# KiCad board led_mapper_850.kicad_pcb (continued)
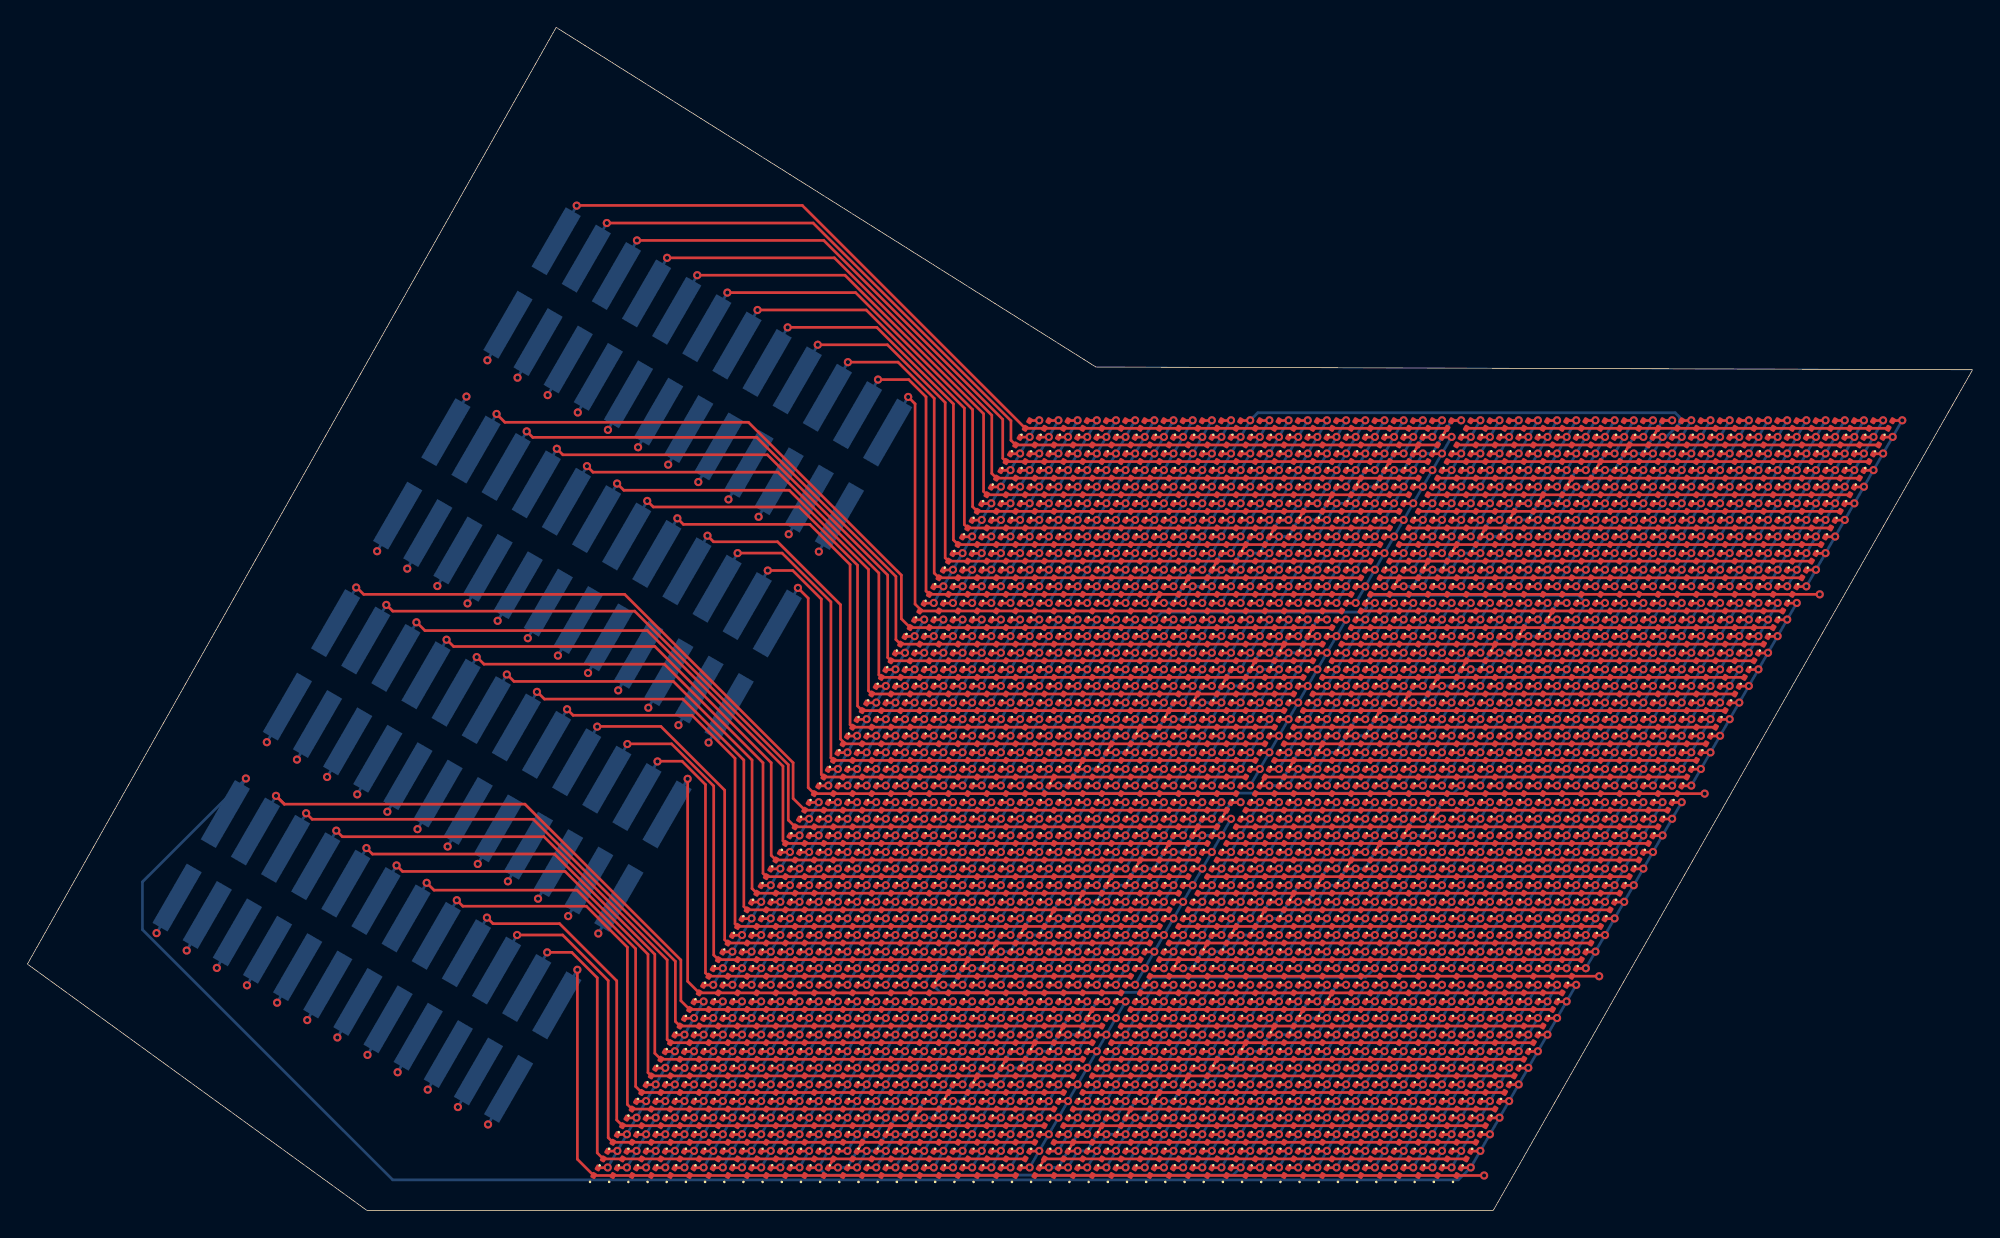
[diagram p0: board, top side]
## Routing (per net, layer and track width the routed paths; a pad name or vN(x,y) marks a point on that pad's centre or on a via; arc(x,y) is an arc through that point) (continued)
/network4/P05: length 145.9
  Top w0.2: D1868.2 v1(103.96,10.42) ; D1960.2 v1(105.36,12.85) ; D1615.2 v1(67.56,3.15) ; D2052.2 v1(106.76,15.27) ; D1937.1 D1891.2 v1(71.76,10.42) ; D1684.2 v1(101.16,5.57) ; D1776.2 v1(102.56,8) ; v1(24.75,26.48) 25.19,26.04 38.48,26.04 45.8,18.72 45.8,11.49 D1955.1 D1933.1 ; D1845.2 v1(71.06,9.21) ; D2028.2 v1(75.26,14.06) ; D1822.2 v1(103.26,9.21) ; D2098.2 v1(107.46,16.49) ; D1982.2 v1(74.56,12.85) ; D1638.2 v1(100.46,4.36) ; D1661.2 v1(68.26,4.36) ; D1914.2 v1(104.66,11.64) ; D1753.2 v1(69.66,6.79) ; D1730.2 v1(101.86,6.79) ; D1707.2 v1(68.96,5.57) ; D2074.2 v1(75.96,15.27) ; D2006.2 v1(106.06,14.06) ; D1799.2 v1(70.36,8) ; D1592.2 v1(99.76,3.15)
  In2.Cu w0.2: v1(70.36,8) 70.71,7.39 102.21,7.39 v1(102.56,8)
  Bottom w0.2: v1(67.56,3.15) v1(71.76,10.42) 72.46,10.42 73.86,12.85 v1(74.56,12.85) v1(75.96,15.27) ; v1(99.76,3.15) v1(107.46,16.49) ; 23.25,23.88 v1(24.75,26.48)
/network4/P06: length 143.8
  Top w0.2: D1616.2 v1(66.16,3.15) ; D1887.1 D1909.1 45.3,10.08 45.3,18.72 39.25,24.77 27.39,24.77 v1(26.95,25.21) ; D1823.2 v1(101.86,9.21) ; D1639.2 v1(99.06,4.36) ; D2075.2 v1(74.56,15.27) ; D2007.2 v1(104.66,14.06) ; D1892.1 D1846.2 v1(69.66,9.21) ; D1754.2 v1(68.26,6.79) ; D1731.2 v1(100.46,6.79) ; D1593.2 v1(98.36,3.15) ; D1915.2 v1(103.26,11.64) ; D2053.2 v1(105.36,15.27) ; D1777.2 v1(101.16,8) ; D1800.2 v1(68.96,8) ; D2099.2 v1(106.06,16.49) ; D1685.2 v1(99.76,5.57) ; D1708.2 v1(67.56,5.57) ; D2029.2 v1(73.86,14.06) ; D1961.2 v1(103.96,12.85) ; D1869.2 v1(102.56,10.42) ; D1937.2 v1(72.46,11.64) ; D1662.2 v1(66.86,4.36) ; D1983.2 v1(73.16,12.85)
  In2.Cu w0.2: v1(69.66,9.21) 70.01,8.61 101.51,8.61 v1(101.86,9.21)
  Bottom w0.2: v1(74.56,15.27) v1(72.46,11.64) 71.76,11.64 70.36,9.21 v1(69.66,9.21) v1(66.16,3.15) ; J4.6 v1(26.95,25.21) ; v1(98.36,3.15) v1(106.06,16.49)
/network4/P07: length 140.3
  Top w0.2: D1732.2 v1(99.06,6.79) ; D1709.2 v1(66.16,5.57) ; D1938.2 v1(71.06,11.64) ; D1892.2 v1(70.36,10.42) ; D1847.1 D1801.2 v1(67.56,8) ; D1663.2 v1(65.46,4.36) ; D1686.2 v1(98.36,5.57) ; D1640.2 v1(97.66,4.36) ; D2030.2 v1(72.46,14.06) ; D1916.2 v1(101.86,11.64) ; D1962.2 v1(102.56,12.85) ; D1984.2 v1(71.76,12.85) ; D1841.1 D1863.1 44.4,9.07 44.4,19.13 40.13,23.4 29.68,23.4 v1(29.15,23.94) ; D1870.2 v1(101.16,10.42) ; D1824.2 v1(100.46,9.21) ; D1594.2 v1(96.96,3.15) ; D2008.2 v1(103.26,14.06) ; D2076.2 v1(73.16,15.27) ; D1617.2 v1(64.76,3.15) ; D1778.2 v1(99.76,8) ; D2054.2 v1(103.96,15.27) ; D2100.2 v1(104.66,16.49) ; D1755.2 v1(66.86,6.79)
  In2.Cu w0.2: v1(70.36,10.42) 70.71,9.82 100.81,9.82 v1(101.16,10.42)
  Bottom w0.2: v1(64.76,3.15) v1(67.56,8) 68.26,8 69.66,10.42 v1(70.36,10.42) v1(73.16,15.27) ; v1(96.96,3.15) v1(104.66,16.49) ; 27.65,21.34 v1(29.15,23.94)
/network4/P08: length 138.2
  Top w0.2: v1(31.35,22.67) 31.79,22.23 40.81,22.23 43.8,19.23 43.8,7.75 D1817.1 D1795.1 ; D2055.2 v1(102.56,15.27) ; D2009.2 v1(101.86,14.06) ; D1779.2 v1(98.36,8) ; D2101.2 v1(103.26,16.49) ; D1664.2 v1(64.06,4.36) ; D1710.2 v1(64.76,5.57) ; D1687.2 v1(96.96,5.57) ; D1939.2 v1(69.66,11.64) ; D1825.2 v1(99.06,9.21) ; D1847.2 v1(68.26,9.21) ; D2031.2 v1(71.06,14.06) ; D1893.2 v1(68.96,10.42) ; D1802.1 D1756.2 v1(65.46,6.79) ; D1595.2 v1(95.56,3.15) ; D1917.2 v1(100.46,11.64) ; D2077.2 v1(71.76,15.27) ; D1985.2 v1(70.36,12.85) ; D1641.2 v1(96.26,4.36) ; D1871.2 v1(99.76,10.42) ; D1733.2 v1(97.66,6.79) ; D1618.2 v1(63.36,3.15) ; D1963.2 v1(101.16,12.85)
  In2.Cu w0.2: v1(100.46,11.64) 100.11,11.03 70.01,11.03 v1(69.66,11.64)
  Bottom w0.2: v1(95.56,3.15) v1(103.26,16.49) ; v1(63.36,3.15) v1(65.46,6.79) 66.16,6.79 67.56,9.21 v1(68.26,9.21) v1(71.76,15.27) ; J4.8 v1(31.35,22.67)
/network4/P09: length 134.5
  Top w0.2: D1918.2 v1(99.06,11.64) ; v1(33.55,21.4) 33.99,20.96 38.84,20.96 43.02,16.78 43.02,6.62 D1771.1 D1749.1 ; D1642.2 v1(94.86,4.36) ; D1872.2 v1(98.36,10.42) ; D1596.2 v1(94.16,3.15) ; D1986.2 v1(68.96,12.85) ; D1802.2 v1(66.16,8) ; D1848.2 v1(66.86,9.21) ; D1734.2 v1(96.26,6.79) ; v1(63.36,5.57) D1711.2 D1757.1 ; D1780.2 v1(96.96,8) ; D2102.2 v1(101.86,16.49) ; D1619.2 v1(61.96,3.15) ; D2010.2 v1(100.46,14.06) ; D1688.2 v1(95.56,5.57) ; D2032.2 v1(69.66,14.06) ; D1940.2 v1(68.26,11.64) ; D1665.2 v1(62.66,4.36) ; D1964.2 v1(99.76,12.85) ; D2078.2 v1(70.36,15.27) ; D1826.2 v1(97.66,9.21) ; D2056.2 v1(101.16,15.27) ; D1894.2 v1(67.56,10.42)
  In2.Cu w0.2: v1(68.96,12.85) 69.31,12.24 99.41,12.24 v1(99.76,12.85)
  Bottom w0.2: v1(61.96,3.15) v1(63.36,5.57) 64.06,5.57 65.46,8 v1(66.16,8) v1(70.36,15.27) ; v1(94.16,3.15) v1(101.86,16.49) ; J4.9 v1(33.55,21.4)
/network4/P10: length 132.4
  Top w0.2: D1965.2 v1(98.36,12.85) ; D1919.2 v1(97.66,11.64) ; D1643.2 v1(93.46,4.36) ; D2033.2 v1(68.26,14.06) ; D1827.2 v1(96.26,9.21) ; D1987.2 v1(67.56,12.85) ; D2057.2 v1(99.76,15.27) ; D2079.2 v1(68.96,15.27) ; D1803.2 v1(64.76,8) ; D1781.2 v1(95.56,8) ; D1712.1 D1666.2 v1(61.26,4.36) ; D1895.2 v1(66.16,10.42) ; D1873.2 v1(96.96,10.42) ; D2103.2 v1(100.46,16.49) ; D2011.2 v1(99.06,14.06) ; D1689.2 v1(94.16,5.57) ; D1757.2 v1(64.06,6.79) ; D1849.2 v1(65.46,9.21) ; D1597.2 v1(92.76,3.15) ; v1(35.75,20.13) 39.07,20.13 42.4,16.8 42.4,5.33 D1725.1 D1703.1 ; D1735.2 v1(94.86,6.79) ; D1620.2 v1(60.56,3.15) ; D1941.2 v1(66.86,11.64)
  In2.Cu w0.2: v1(68.26,14.06) 68.61,13.46 98.71,13.46 v1(99.06,14.06)
  Bottom w0.2: v1(60.56,3.15) v1(61.26,4.36) 61.96,4.36 63.36,6.79 v1(64.06,6.79) v1(68.96,15.27) ; v1(92.76,3.15) v1(100.46,16.49) ; J4.10 v1(35.75,20.13)
/network4/P11: length 162.9
  Top w0.2: D1758.2 v1(62.66,6.79) ; D2058.2 v1(98.36,15.27) ; v1(59.16,3.15) D1621.2 D1667.1 ; D1690.2 v1(92.76,5.57) ; D2012.2 v1(97.66,14.06) ; D1942.2 v1(65.46,11.64) ; D1850.2 v1(64.06,9.21) ; D2104.2 v1(99.06,16.49) ; D1782.2 v1(94.16,8) ; v1(37.95,18.86) 39.74,18.86 41.6,17 41.6,4.22 D1679.1 D1657.1 ; D1598.2 v1(91.36,3.15) ; D2080.2 v1(67.56,15.27) ; D2034.2 v1(66.86,14.06) ; D1896.2 v1(64.76,10.42) ; D1874.2 v1(95.56,10.42) ; D1804.2 v1(63.36,8) ; D1644.2 v1(92.06,4.36) ; D1988.2 v1(66.16,12.85) ; D1736.2 v1(93.46,6.79) ; D1828.2 v1(94.86,9.21) ; D1920.2 v1(96.26,11.64) ; D1966.2 v1(96.96,12.85) ; D1712.2 v1(61.96,5.57)
  In1.Cu w0.2: v1(59.16,3.15) 59.71,2.6 90.81,2.6 v1(91.36,3.15)
  In2.Cu w0.2: v1(67.56,15.27) 67.91,14.67 98.01,14.67 v1(98.36,15.27)
  Bottom w0.2: v1(67.56,15.27) v1(61.96,5.57) 61.26,5.57 59.86,3.15 v1(59.16,3.15) ; J4.11 v1(37.95,18.86) ; v1(91.36,3.15) v1(99.06,16.49)
/network4/P12: length 151.1
  Top w0.2: D2035.2 v1(65.46,14.06) ; D1943.2 v1(64.06,11.64) ; D1713.2 v1(60.56,5.57) ; D2105.2 v1(97.66,16.49) ; D1875.2 v1(94.16,10.42) ; 40.15,17.59 40.15,3.75 D1633.1 D1611.1 ; D1759.2 v1(61.26,6.79) ; D1829.2 v1(93.46,9.21) ; D1667.2 v1(59.86,4.36) ; D1851.2 v1(62.66,9.21) ; D1691.2 v1(91.36,5.57) ; D2059.2 v1(96.96,15.27) ; D1737.2 v1(92.06,6.79) ; D2013.2 v1(96.26,14.06) ; D1805.2 v1(61.96,8) ; D2081.2 v1(66.16,15.27) ; D1897.2 v1(63.36,10.42) ; D1989.2 v1(64.76,12.85) ; D1645.2 v1(90.66,4.36) ; D1783.2 v1(92.76,8) ; D1921.2 v1(94.86,11.64) ; D1599.2 v1(89.96,3.15) ; D1967.2 v1(95.56,12.85)
  In2.Cu w0.2: v1(96.96,15.27) 96.61,15.88 66.51,15.88 v1(66.16,15.27) ; v1(65.46,14.06) 64.91,14.61 43.12,14.61 v1(40.15,17.59)
  Bottom w0.2: v1(89.96,3.15) v1(97.66,16.49) ; J4.12 v1(40.15,17.59) ; v1(59.86,4.36) v1(66.16,15.27)
/network4/P13: length 167.2
  Top w0.2: D1830.2 v1(92.06,9.21) ; D1944.2 v1(62.66,11.64) ; D1600.2 v1(88.56,3.15) ; D2014.2 v1(94.86,14.06) ; D1990.2 v1(63.36,12.85) ; D1784.2 v1(91.36,8) ; D2094.1 D2116.1 ; D1898.2 v1(61.96,10.42) ; D1876.2 v1(92.76,10.42) ; D2036.2 v1(64.06,14.06) ; D1806.2 v1(60.56,8) ; D1968.2 v1(94.16,12.85) ; D1714.2 v1(59.16,5.57) ; D2082.2 v1(64.76,15.27) ; v1(95.56,15.27) D2060.2 D2106.1 ; D1668.2 v1(58.46,4.36) ; D1646.2 v1(89.26,4.36) ; D1738.2 v1(90.66,6.79) ; D1760.2 v1(59.86,6.79) ; D1692.2 v1(89.96,5.57) ; D1922.2 v1(93.46,11.64) ; D1622.2 v1(57.76,3.15) ; D1852.2 v1(61.26,9.21)
  In2.Cu w0.2: v1(9.43,20.26) 11.39,18.31 38.17,18.31 38.27,18.4 51.2,18.4 51.35,18.25 62.19,18.25 62.51,17.93 62.51,17.52 63.51,16.52 63.51,16.26 64.5,15.27 v1(64.76,15.27)
  Bottom w0.2: v1(64.76,15.27) v1(57.76,3.15) 58.31,2.6 88.01,2.6 v1(88.56,3.15) v1(95.56,15.27) ; J4.13 v1(9.43,20.26)
/network4/P14: length 166.7
  Top w0.2: D1899.2 v1(60.56,10.42) ; D1831.2 v1(90.66,9.21) ; D1739.2 v1(89.26,6.79) ; D1969.2 v1(92.76,12.85) ; D1945.2 v1(61.26,11.64) ; D1853.2 v1(59.86,9.21) ; D1807.2 v1(59.16,8) ; D2061.1 D2015.2 v1(93.46,14.06) ; D1601.2 v1(87.16,3.15) ; D1715.2 v1(57.76,5.57) ; D1785.2 v1(89.96,8) ; D1693.2 v1(88.56,5.57) ; D1923.2 v1(92.06,11.64) ; D2037.2 v1(62.66,14.06) ; D1761.2 v1(58.46,6.79) ; D2083.2 v1(63.36,15.27) ; D2048.1 D2070.1 ; D1877.2 v1(91.36,10.42) ; D1623.2 v1(56.36,3.15) ; D1991.2 v1(61.96,12.85) ; D1669.2 v1(57.06,4.36) ; D1647.2 v1(87.86,4.36) ; D2106.2 v1(96.26,16.49)
  In1.Cu w0.2: v1(57.06,4.36) 57.41,3.76 87.51,3.76 v1(87.86,4.36) ; v1(11.63,18.99) 12.04,19.41 44.4,19.41 49.42,14.39 49.42,13.87 50.21,13.08 50.21,12.56 50.91,11.86 50.91,11.41 51.61,10.71 51.61,10.14 52.31,9.44 52.31,8.93 53.01,8.23 53.01,7.5 53.71,6.8 53.71,6.56 54.15,6.12 54.15,5.61 54.85,4.91 54.85,4.4 56.1,3.15 v1(56.36,3.15)
  Bottom w0.2: v1(56.36,3.15) v1(63.36,15.27) ; J4.14 v1(11.63,18.99) ; v1(87.16,3.15) v1(93.46,14.06) 94.16,14.06 95.56,16.49 v1(96.26,16.49)
/network4/P15: length 162.2
  Top w0.2: D1740.2 v1(87.86,6.79) ; D2016.1 D1970.2 v1(91.36,12.85) ; D1946.2 v1(59.86,11.64) ; D1670.2 v1(55.66,4.36) ; D1878.2 v1(89.96,10.42) ; D1624.2 v1(54.96,3.15) ; D2002.1 D2024.1 ; D1602.2 v1(85.76,3.15) ; D2061.2 v1(94.16,15.27) ; D1762.2 v1(57.06,6.79) ; D1924.2 v1(90.66,11.64) ; D1808.2 v1(57.76,8) ; D1786.2 v1(88.56,8) ; D1648.2 v1(86.46,4.36) ; D1716.2 v1(56.36,5.57) ; D2084.2 v1(61.96,15.27) ; D1694.2 v1(87.16,5.57) ; D1900.2 v1(59.16,10.42) ; D2107.2 v1(94.86,16.49) ; D1854.2 v1(58.46,9.21) ; D1992.2 v1(60.56,12.85) ; D1832.2 v1(89.26,9.21) ; D2038.2 v1(61.26,14.06)
  In1.Cu w0.2: v1(13.83,17.72) 14.31,18.2 43.39,18.2 48.51,13.08 48.51,12.86 49.51,11.86 49.51,11.09 50.21,10.39 50.21,10.19 50.91,9.49 50.91,8.69 51.31,8.29 51.31,7.89 52.31,6.89 52.31,6.29 53,5.6 53,5.3 53.71,4.59 53.71,4.09 54.65,3.15 v1(54.96,3.15) ; v1(87.16,5.57) 86.81,4.97 56.71,4.97 v1(56.36,5.57)
  Bottom w0.2: v1(54.96,3.15) v1(61.96,15.27) ; v1(94.86,16.49) v1(94.16,15.27) 93.46,15.27 92.06,12.85 v1(91.36,12.85) v1(85.76,3.15) ; J4.15 v1(13.83,17.72)
/network4/P16: length 157.4
  Top w0.2: D2108.2 v1(93.46,16.49) ; D1833.2 v1(87.86,9.21) ; D2039.2 v1(59.86,14.06) ; D1695.2 v1(85.76,5.57) ; D1879.2 v1(88.56,10.42) ; D1971.1 D1925.2 v1(89.26,11.64) ; D1717.2 v1(54.96,5.57) ; D2062.2 v1(92.76,15.27) ; D1947.2 v1(58.46,11.64) ; D1855.2 v1(57.06,9.21) ; D1671.2 v1(54.26,4.36) ; D1787.2 v1(87.16,8) ; D1809.2 v1(56.36,8) ; D1993.2 v1(59.16,12.85) ; D1956.1 D1978.1 ; D1901.2 v1(57.76,10.42) ; D2085.2 v1(60.56,15.27) ; D1741.2 v1(86.46,6.79) ; D1603.2 v1(84.36,3.15) ; D1649.2 v1(85.06,4.36) ; D1763.2 v1(55.66,6.79) ; D2016.2 v1(92.06,14.06) ; D1625.2 v1(53.56,3.15)
  In1.Cu w0.2: 43.9,15.9 48.11,11.69 48.11,11.05 48.6,10.57 48.6,10.05 49.4,9.25 49.4,9 49.91,8.49 49.91,7.71 50.8,6.83 50.8,6.32 51.6,5.52 51.6,5.11 52.31,4.4 52.31,4.13 53.3,3.15 v1(53.56,3.15) ; 43.9,15.9 43.35,16.45 v1(16.03,16.45) ; 43.9,15.9 43.89,15.91 ; v1(86.46,6.79) 86.11,6.18 56.01,6.18 v1(55.66,6.79)
  Bottom w0.2: J4.16 v1(16.03,16.45) ; v1(53.56,3.15) v1(60.56,15.27) ; v1(93.46,16.49) v1(92.06,14.06) 91.36,14.06 89.96,11.64 v1(89.26,11.64) v1(84.36,3.15)
/network4/P17: length 152.9
  Top w0.2: D1856.2 v1(55.66,9.21) ; D1696.2 v1(84.36,5.57) ; D1718.2 v1(53.56,5.57) ; D2063.2 v1(91.36,15.27) ; D1971.2 v1(89.96,12.85) ; D1994.2 v1(57.76,12.85) ; D1626.2 v1(52.16,3.15) ; D1810.2 v1(54.96,8) ; D2017.2 v1(90.66,14.06) ; D1788.2 v1(85.76,8) ; D1650.2 v1(83.66,4.36) ; D1926.1 D1880.2 v1(87.16,10.42) ; D1902.2 v1(56.36,10.42) ; D2040.2 v1(58.46,14.06) ; D1948.2 v1(57.06,11.64) ; D2086.2 v1(59.16,15.27) ; D1764.2 v1(54.26,6.79) ; D2109.2 v1(92.06,16.49) ; D1672.2 v1(52.86,4.36) ; D1742.2 v1(85.06,6.79) ; D1604.2 v1(82.96,3.15) ; D1910.1 D1932.1 ; D1834.2 v1(86.46,9.21)
  In1.Cu w0.2: v1(54.96,8) 55.31,7.39 85.41,7.39 v1(85.76,8) ; 18.17,15.18 42.59,15.18 47.2,10.57 47.2,10.05 47.81,9.44 47.81,8.99 48.8,8 48.8,7.43 49.4,6.83 49.4,6.32 50,5.72 50,5.56 50.91,4.65 50.91,4.13 51.9,3.15 v1(52.16,3.15)
  Bottom w0.2: J4.17 v1(18.23,15.18) ; v1(92.06,16.49) v1(89.96,12.85) 89.26,12.85 87.86,10.42 v1(87.16,10.42) v1(82.96,3.15) ; v1(52.16,3.15) v1(59.16,15.27)
/network4/P18: length 148.6
  Top w0.2: D2064.2 v1(89.96,15.27) ; D1627.2 v1(50.76,3.15) ; D1697.2 v1(82.96,5.57) ; D1949.2 v1(55.66,11.64) ; D1926.2 v1(87.86,11.64) ; D1811.2 v1(53.56,8) ; D2041.2 v1(57.06,14.06) ; D1605.2 v1(81.56,3.15) ; D1719.2 v1(52.16,5.57) ; D1651.2 v1(82.26,4.36) ; D2018.2 v1(89.26,14.06) ; D1881.1 D1835.2 v1(85.06,9.21) ; D1789.2 v1(84.36,8) ; D2087.2 v1(57.76,15.27) ; D1903.2 v1(54.96,10.42) ; D1765.2 v1(52.86,6.79) ; D1995.2 v1(56.36,12.85) ; D1972.2 v1(88.56,12.85) ; D1864.1 D1886.1 ; D2110.2 v1(90.66,16.49) ; D1673.2 v1(51.46,4.36) ; D1857.2 v1(54.26,9.21) ; D1743.2 v1(83.66,6.79)
  In1.Cu w0.2: v1(54.26,9.21) 54.61,8.61 84.71,8.61 v1(85.06,9.21) ; 20.37,13.91 42.09,13.91 46.71,9.29 46.71,8.89 47.4,8.2 47.4,7.6 48.11,6.89 48.11,6.29 48.8,5.6 48.8,5 49.51,4.29 49.51,4.09 50.45,3.15 v1(50.76,3.15)
  Bottom w0.2: v1(90.66,16.49) v1(87.86,11.64) 87.16,11.64 85.76,9.21 v1(85.06,9.21) v1(81.56,3.15) ; J4.18 v1(20.43,13.91) ; v1(50.76,3.15) v1(57.76,15.27)
/network4/P19: length 145.7
  Top w0.2: D2111.2 v1(89.26,16.49) ; D2088.2 v1(56.36,15.27) ; D1674.2 v1(50.06,4.36) ; D2019.2 v1(87.86,14.06) ; D1858.2 v1(52.86,9.21) ; D1744.2 v1(82.26,6.79) ; D1950.2 v1(54.26,11.64) ; D1766.2 v1(51.46,6.79) ; D1606.2 v1(80.16,3.15) ; D1720.2 v1(50.76,5.57) ; D1973.2 v1(87.16,12.85) ; D1881.2 v1(85.76,10.42) ; D2065.2 v1(88.56,15.27) ; D1652.2 v1(80.86,4.36) ; D1628.2 v1(49.36,3.15) ; D1812.2 v1(52.16,8) ; D1996.2 v1(54.96,12.85) ; D1904.2 v1(53.56,10.42) ; D1698.2 v1(81.56,5.57) ; D2042.2 v1(55.66,14.06) ; D1927.2 v1(86.46,11.64) ; v1(82.96,8) D1790.2 D1836.1 ; D1818.1 D1840.1
  In1.Cu w0.2: v1(53.56,10.42) 53.91,9.82 85.41,9.82 v1(85.76,10.42) ; v1(49.36,3.15) 49.1,3.15 48.11,4.13 48.11,4.49 47.4,5.2 47.4,5.6 46.41,6.59 46.41,7.37 46.01,7.77 46.01,8.23 41.61,12.64 22.57,12.64
  Bottom w0.2: v1(89.26,16.49) v1(85.76,10.42) 85.06,10.42 83.66,8 v1(82.96,8) v1(80.16,3.15) ; J4.19 v1(22.63,12.64) ; v1(49.36,3.15) v1(56.36,15.27)
/network4/P20: length 141.2
  Top w0.2: D1859.2 v1(51.46,9.21) ; D2066.2 v1(87.16,15.27) ; D2112.2 v1(87.86,16.49) ; D1836.2 v1(83.66,9.21) ; D2089.2 v1(54.96,15.27) ; D1772.1 D1794.1 ; D1607.2 v1(78.76,3.15) ; D1882.2 v1(84.36,10.42) ; D1951.2 v1(52.86,11.64) ; D1974.2 v1(85.76,12.85) ; D1905.2 v1(52.16,10.42) ; D1997.2 v1(53.56,12.85) ; D1699.2 v1(80.16,5.57) ; D1721.2 v1(49.36,5.57) ; D1791.1 D1745.2 v1(80.86,6.79) ; D1928.2 v1(85.06,11.64) ; D1767.2 v1(50.06,6.79) ; D1675.2 v1(48.66,4.36) ; D2043.2 v1(54.26,14.06) ; D1629.2 v1(47.96,3.15) ; D1653.2 v1(79.46,4.36) ; D2020.2 v1(86.46,14.06) ; D1813.2 v1(50.76,8)
  In1.Cu w0.2: 24.77,11.37 40.96,11.37 45.31,7.01 45.31,6.56 46.01,5.86 46.01,5.35 46.71,4.65 46.71,4.13 47.7,3.15 v1(47.96,3.15) ; v1(84.36,10.42) 84.01,11.03 52.51,11.03 v1(52.16,10.42)
  Bottom w0.2: J4.20 v1(24.83,11.37) ; v1(87.86,16.49) v1(83.66,9.21) 82.96,9.21 81.56,6.79 v1(80.86,6.79) v1(78.76,3.15) ; v1(47.96,3.15) v1(54.96,15.27)
/network4/P21: length 136.8
  Top w0.2: D2021.2 v1(85.06,14.06) ; D1814.2 v1(49.36,8) ; D1654.2 v1(78.06,4.36) ; v1(78.76,5.57) D1700.2 D1746.1 ; D1837.2 v1(82.26,9.21) ; D1630.2 v1(46.56,3.15) ; D1791.2 v1(81.56,8) ; D1860.2 v1(50.06,9.21) ; D1883.2 v1(82.96,10.42) ; D2090.2 v1(53.56,15.27) ; D2044.2 v1(52.86,14.06) ; D2113.2 v1(86.46,16.49) ; D1906.2 v1(50.76,10.42) ; D1676.2 v1(47.26,4.36) ; D1722.2 v1(47.96,5.57) ; D2067.2 v1(85.76,15.27) ; D1608.2 v1(77.36,3.15) ; D1998.2 v1(52.16,12.85) ; D1768.2 v1(48.66,6.79) ; D1929.2 v1(83.66,11.64) ; D1952.2 v1(51.46,11.64) ; D1975.2 v1(84.36,12.85) ; D1726.1 D1748.1
  In1.Cu w0.2: v1(83.66,11.64) 83.31,12.24 51.81,12.24 v1(51.46,11.64) ; 26.97,10.1 40.25,10.1 44.61,5.73 44.61,5.35 45.12,4.84 45.12,4.33 46.3,3.15 v1(46.56,3.15)
  Bottom w0.2: v1(77.36,3.15) v1(78.76,5.57) 79.46,5.57 80.86,8 v1(81.56,8) v1(86.46,16.49) ; J4.21 v1(27.03,10.1) ; v1(46.56,3.15) v1(53.56,15.27)
/network4/P22: length 132.4
  Top w0.2: D1999.2 v1(50.76,12.85) ; D1976.2 v1(82.96,12.85) ; D1953.2 v1(50.06,11.64) ; D1838.2 v1(80.86,9.21) ; D2068.2 v1(84.36,15.27) ; D2045.2 v1(51.46,14.06) ; D2114.2 v1(85.06,16.49) ; D1723.2 v1(46.56,5.57) ; D1769.2 v1(47.26,6.79) ; D1815.2 v1(47.96,8) ; D1907.2 v1(49.36,10.42) ; D1680.1 D1702.1 ; D1884.2 v1(81.56,10.42) ; D1746.2 v1(79.46,6.79) ; D2022.2 v1(83.66,14.06) ; D1701.1 D1655.2 v1(76.66,4.36) ; D1861.2 v1(48.66,9.21) ; D1677.2 v1(45.86,4.36) ; D1609.2 v1(75.96,3.15) ; D1792.2 v1(80.16,8) ; D1631.2 v1(45.16,3.15) ; D2091.2 v1(52.16,15.27) ; D1930.2 v1(82.26,11.64)
  In1.Cu w0.2: 29.17,8.83 39.74,8.83 43.82,4.74 43.82,4.23 44.9,3.15 v1(45.16,3.15) ; v1(82.96,12.85) 82.61,13.46 51.11,13.46 v1(50.76,12.85)
  Bottom w0.2: J4.22 v1(29.23,8.83) ; v1(45.16,3.15) v1(52.16,15.27) ; v1(85.06,16.49) v1(79.46,6.79) 78.76,6.79 77.36,4.36 v1(76.66,4.36) v1(75.96,3.15)
/network4/P23: length 128
  Top w0.2: D2023.2 v1(82.26,14.06) ; D1724.2 v1(45.16,5.57) ; D1632.2 v1(43.76,3.15) ; D1885.2 v1(80.16,10.42) ; D1931.2 v1(80.86,11.64) ; D1770.2 v1(45.86,6.79) ; D2069.2 v1(82.96,15.27) ; D2092.2 v1(50.76,15.27) ; D2115.2 v1(83.66,16.49) ; D2000.2 v1(49.36,12.85) ; D1678.2 v1(44.46,4.36) ; D1634.1 D1656.1 D1610.2 v1(74.56,3.15) ; D1816.2 v1(46.56,8) ; D1908.2 v1(47.96,10.42) ; D1747.2 v1(78.06,6.79) ; D1954.2 v1(48.66,11.64) ; D1839.2 v1(79.46,9.21) ; D1793.2 v1(78.76,8) ; D2046.2 v1(50.06,14.06) ; D1701.2 v1(77.36,5.57) ; D1862.2 v1(47.26,9.21) ; D1977.2 v1(81.56,12.85)
  In1.Cu w0.2: v1(82.26,14.06) 81.91,14.67 50.41,14.67 v1(50.06,14.06) ; 31.37,7.56 39.04,7.56 43.45,3.15 v1(43.76,3.15)
  Bottom w0.2: J4.23 v1(31.43,7.56) ; v1(74.56,3.15) 75.26,3.15 76.66,5.57 v1(77.36,5.57) v1(83.66,16.49) ; v1(43.76,3.15) v1(50.76,15.27)
/network4/P24: length 161.1
  Top w0.2: D1702.2 v1(75.96,5.57) ; D1886.2 v1(78.76,10.42) ; D1794.2 v1(77.36,8) ; D1978.2 v1(80.16,12.85) ; D2116.2 v1(82.26,16.49) ; D1932.2 v1(79.46,11.64) ; D1955.2 v1(47.26,11.64) ; D2070.2 v1(81.56,15.27) ; D1679.2 v1(43.06,4.36) ; D1817.2 v1(45.16,8) ; D1748.2 v1(76.66,6.79) ; D1840.2 v1(78.06,9.21) ; D1863.2 v1(45.86,9.21) ; D2024.2 v1(80.86,14.06) ; D2093.2 v1(49.36,15.27) ; D2001.2 v1(47.96,12.85) ; D2047.2 v1(48.66,14.06) ; D1610.1 D1588.1 v1(106.34,2.56) ; D1725.2 v1(43.76,5.57) ; D1771.2 v1(44.46,6.79) ; D1909.2 v1(46.56,10.42) ; D1656.2 v1(75.26,4.36) ; D1633.2 v1(42.36,3.15)
  In1.Cu w0.2: v1(82.26,16.49) 82.93,15.82 105.59,15.82 106.06,15.35 106.06,15.2 106.61,14.65 106.61,13.83 106.21,13.43 106.21,12.59 106.61,12.19 106.61,11.41 106.21,11.01 106.21,10.19 106.61,9.79 106.61,8.98 106.2,8.57 106.2,7.6 106.61,7.19 106.61,6.56 106.2,6.14 106.2,5.2 106.61,4.79 106.61,2.84 v1(106.34,2.56) ; v1(42.36,3.15) 39.23,6.29 33.57,6.29 ; v1(49.36,15.27) 49.71,15.88 81.21,15.88 v1(81.56,15.27)
  Bottom w0.2: v1(75.26,4.36) v1(82.26,16.49) ; v1(42.36,3.15) v1(49.36,15.27) ; J4.24 v1(33.63,6.29)
